# Altium PCB PCB2.PcbDoc (part 2 of 2) (continued)
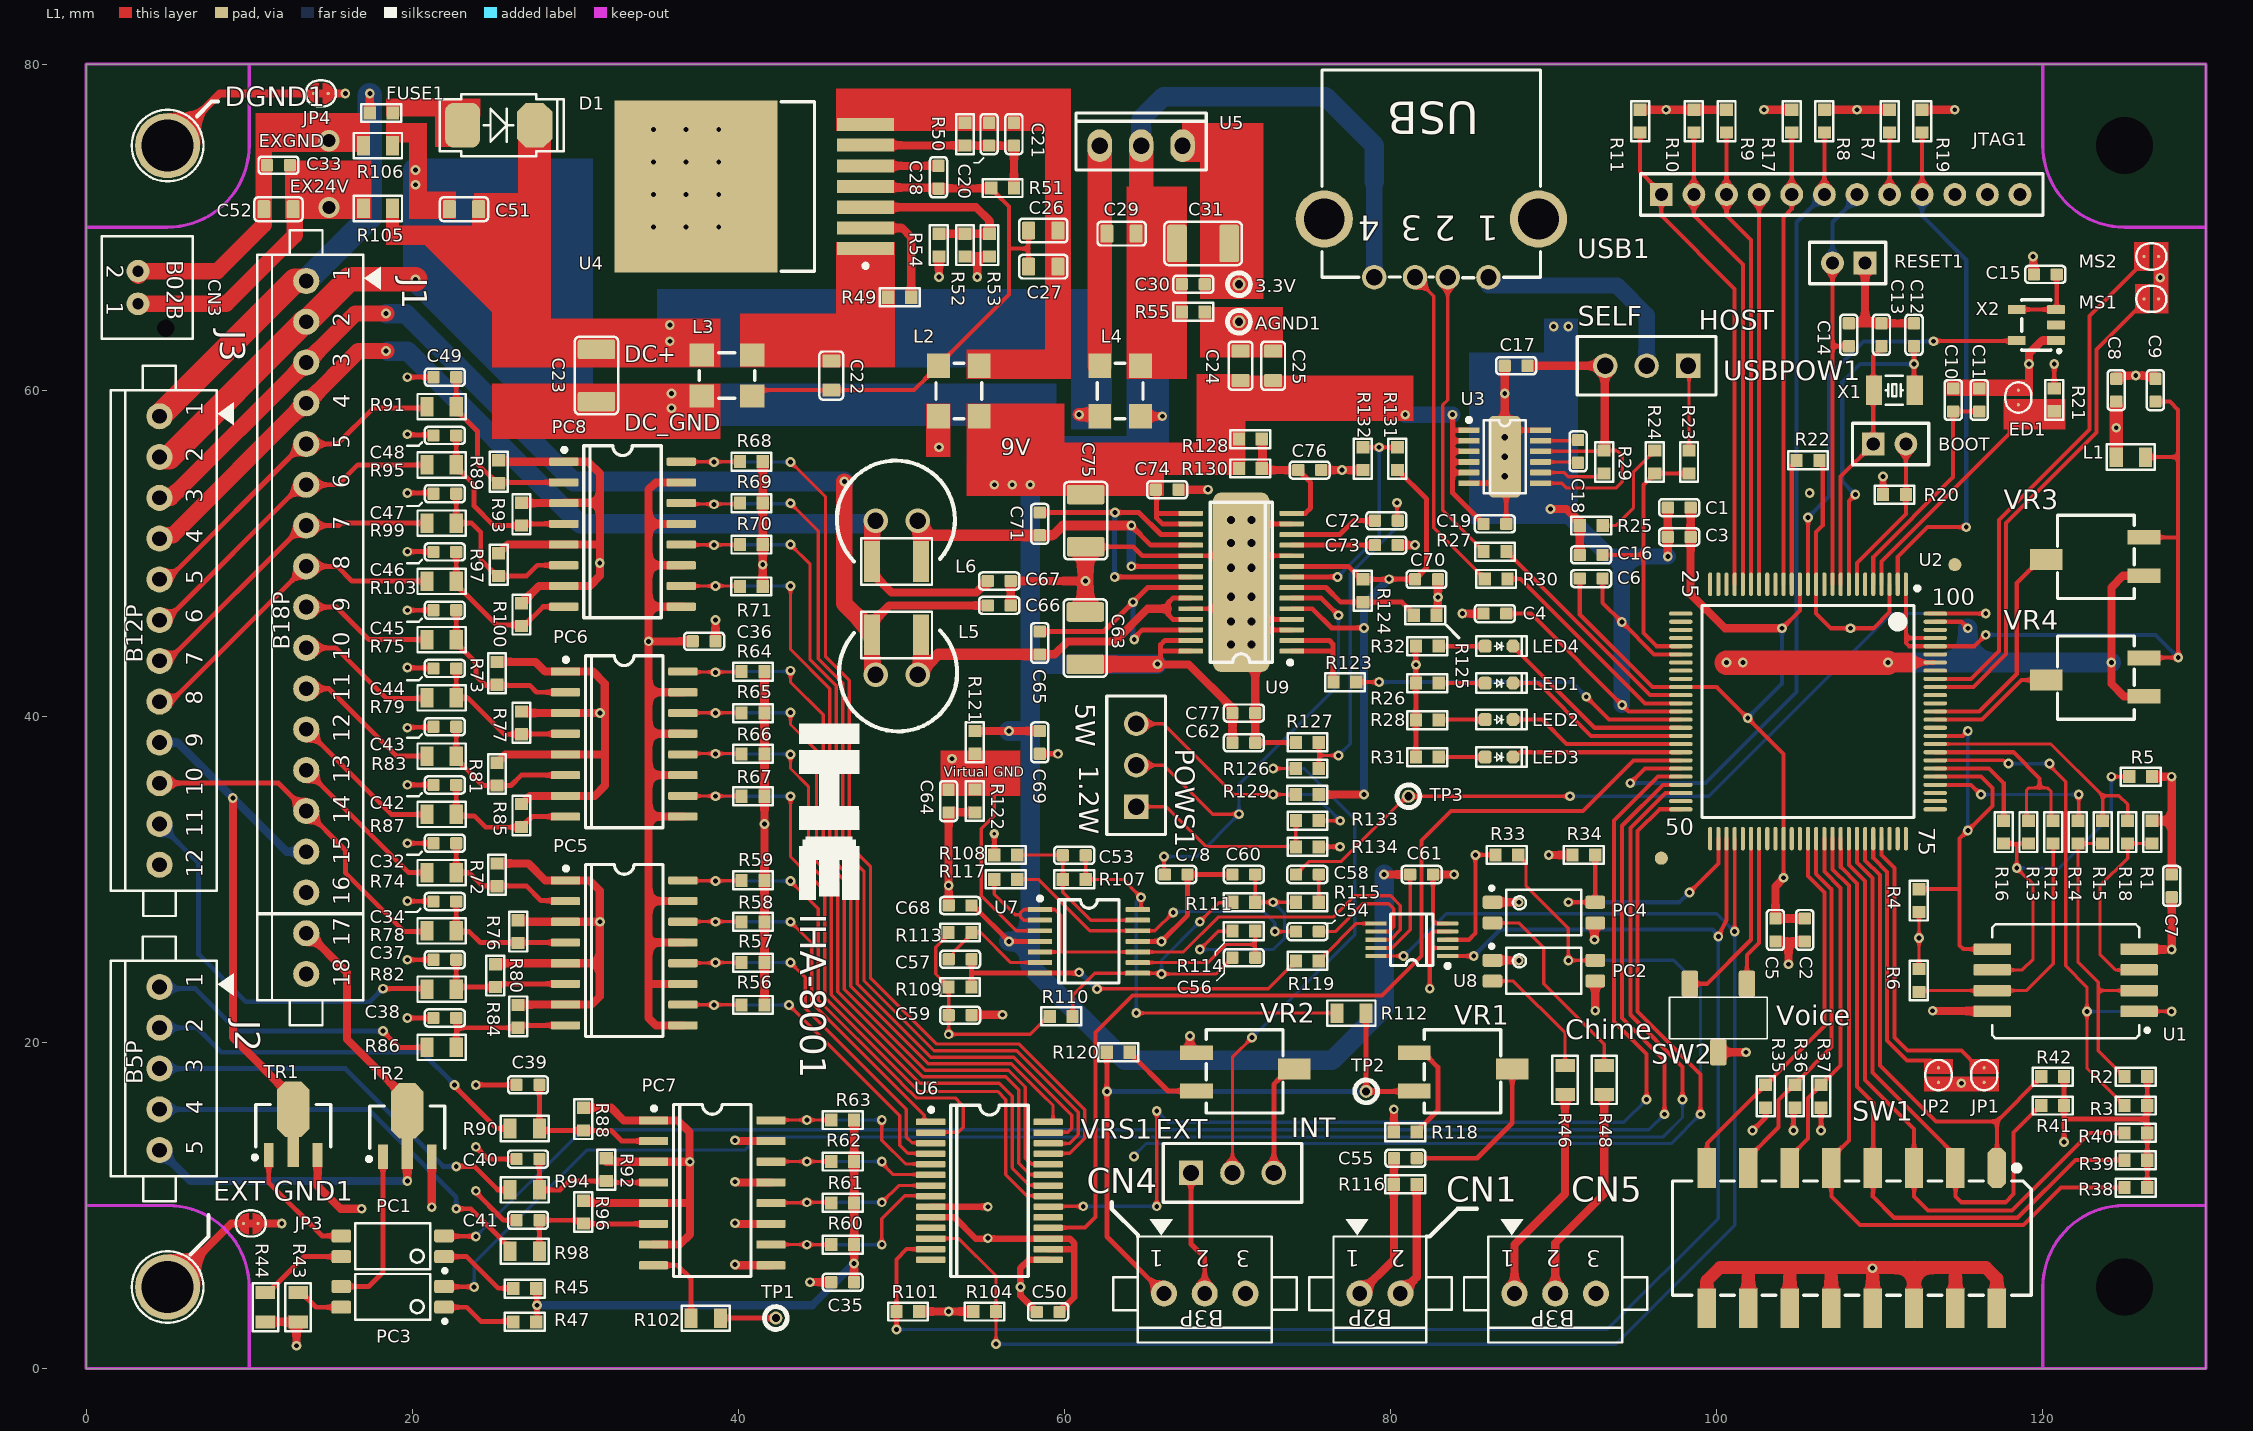
[diagram p0: L1 view]
## Nets (pads, with @x,y where several pads share a name; then routed paths per layer and width w, separated by ;. In a path a pad name is that pad's centre, name@x,y a point inside that pad or via, vN(x,y) a via of type N, cw(c..) or ccw(c..) an arc to the next point about the centre after c; other vN are vias at no path point) (continued)
  L4 w0.2: v1(38.6,42.7) 38.65,42.75 43.15,42.75 v1(43.2,42.8)
NetPC7_8: PC7.8 R102.2 | length 5.1
  L1 w0.3: PC7.8@34.8,6.335 36.265,6.335 37.1,5.5 R102.2@37.1,3.09
NetPC7_10: PC7.10 R60.1 U6.8 | length 13.6
  L1 w0.2: PC7.10@42.1,7.625 42.112,7.612 44.188,7.612 v1(44.2,7.6) R60.1@45.7,7.6 ; v1(48.8,7.6) 48.8,9.2 50.2,10.6 U6.8@52,10.6
  L4 w0.2: v1(44.2,7.6) v1(48.8,7.6)
NetPC7_12: PC7.12 R61.1 U6.7 | length 11.8
  L1 w0.2: PC7.12@42,10.145 42.025,10.17 44.175,10.17 v1(44.2,10.195) 45.67,10.195 R61.1@45.7,10.165 ; v1(48.8,10.195) 49.83,11.225 U6.7@51.8,11.225
  L4 w0.2: v1(44.2,10.195) v1(48.8,10.195)
NetPC7_14: PC7.14 R62.1 U6.6 | length 11.8
  L1 w0.2: PC7.14@42.1,12.705 42.103,12.703 44.197,12.703 v1(44.2,12.7) R62.1@45.7,12.7 ; v1@48.7,12.7 49.5,11.9 U6.6@52,11.9
  L4 w0.2: v1(44.2,12.7) v1(48.8,12.7)
NetPC7_16: PC7.16 R63.1 U6.5 | length 13.3
  L1 w0.2: PC7.16@42.1,15.245 v1(44.2,15.245) R63.1@45.7,15.245 ; v1@48.8,15.3 v1(48.8,15.245) 48.8,14 50.25,12.55 U6.5@52,12.55
  L4 w0.2: v1(44.2,15.245) v1(48.8,15.245)
NetPC8_10: PC8.10 R71.1 U6.28 | length 50.8
  L1 w0.2: PC8.10@36.5,47.995 36.503,47.997 38.597,47.997 v1(38.6,48) 40.094,48.015 R71.1@40.1,48.015 ; v1(43.2,48) 43.2,44.103 45.6,41.703 45.6,31.4 46.9,30.1 46.9,23.434 51.634,18.7 56.734,18.7 58.579,16.855 59.3,16.134 U6.28@59.3,15.15
  L4 w0.2: v1@38.5,48 v1(38.6,48) v1(43.2,48)
NetPC8_12: PC8.12 R70.1 U6.27 | length 55.4
  L1 w0.2: PC8.12@36.5,50.515 R70.1@40.1,50.515 ; v1(43.2,50.533) 44.4,49.333 44.4,43.469 46,41.869 46,31.634 47.3,30.334 47.3,23.6 51.8,19.1 56.9,19.1 60.45,15.55 60.45,14.75 60.2,14.5 U6.27@59.389,14.5
  L4 w0.2: v1(38.5,50.5) 38.517,50.517 43.183,50.517 v1(43.2,50.533)
NetPC8_14: PC8.14 R69.1 U6.26 | length 59.6
  L1 w0.2: PC8.14@36.5,53.015 R69.1@40.1,53.015 ; v1@43.1,53.3 v1@43.267,53.133 ; v1(43.2,53.067) 44.9,51.367 44.9,43.534 46.4,42.034 46.4,31.8 47.7,30.5 47.7,23.8 52,19.5 57.066,19.5 60.85,15.716 60.85,14.35 60.3,13.8 59.2,13.8 U6.26@59.1,13.9
  L4 w0.2: v1(38.5,53) 38.533,53.033 43.167,53.033 v1(43.2,53.067)
NetPC8_16: PC8.16 R68.1 U6.25 | length 62.7
  L1 w0.2: PC8.16@36.5,55.615 R68.1@40.1,55.615 ; v1(43.2,55.6) 45.35,53.45 45.35,43.65 46.8,42.2 46.8,32.1 48.1,30.8 48.1,23.966 52.166,19.9 57.231,19.9 61.25,15.881 61.25,14.119 60.331,13.2 U6.25@59.2,13.2
  L4 w0.2: v1(38.5,55.6) v1(43.2,55.6)
NetPOWS1_1: POWS1.1 R133.1 R134.2 | length 12.4
  L1 w0.2: POWS1.1@64.4,34.46 66.24,34.46 68.675,32.025 R134.2@74.19,32.025 ; R134.2@74.19,32 R134.2@74.19,32.025 ; R133.1@74.19,33.6 R134.2@74.19,32.025
NetPOWS1_3: POWS1.3 R129.1 R133.2 | length 17.8
  L1 w0.2: POWS1.3@64.4,39.54 66.06,39.54 70.4,35.2 v1(72.8,35.2) R129.1@74.19,35.2 ; R133.2@75.6,33.6 v1(76.91,33.6) v1@77.01,33.6
  L4 w0.2: v1(72.8,35.2) 72.9,35.2 75.3,35.2 v1@76.9,33.6
NetR1_1: R1.1 R18.2 U1.3 | length 11.6
  L1 w0.2: R18.2@125.183,32.2 R1.1@126.7,32.2 ; R18.2@125.2,32 125.2,31.3 123.5,29.6 123.5,25.4 124.45,24.45 U1.3@125.9,24.45
NetR2_1: R2.1 R14.2 R15.2 U1.2 | length 19.5
  L1 w0.2: R15.2@123.667,32.2 R14.2@122.15,32.2 122.15,24.95 123.4,23.7 123.4,23.18 ; R2.1@125,17.9 123.4,19.5 123.4,23.18 ; U1.2@125.9,23.18 123.4,23.18
NetR5_1: R5.1 R13.1 R16.1 U1.6 | length 22.2
  L1 w0.2: U1.6@116.9,24.45 118.75,24.45 119.4,25.1 119.4,29.7 v1@118.5,30.6 ; R16.1@117.6,32.2 118.4,32.2 ; v1(118.4,30.7) 118.4,32.2 ; R13.1@119,32.2 118.4,32.2 ; v1(124.2,36.3) R5.1@125.3,36.3
  L4 w0.2: v1(118.4,30.7) 121,30.7 124.2,33.9 v1(124.2,36.3)
NetR6_1: R6.1 R12.1 U1.7 | length 16.3
  L1 w0.2: R6.1@112.4,23.1 112.48,23.18 U1.7@116.9,23.18 118.98,23.18 120.633,24.833 120.633,31.967 R12.1@120.5,32.1
NetR22_2: R22.2 U2.15 | length 7.9
  L1 w0.25: U2.15@104.6,48.1 104.6,55.4 R22.2@104.9,55.7 R22.2@104.9,55.925
NetR23_1: R23.1 USBPOW1.1 | length 5.2
  L1 w0.2: R23.1@98.305,56.3 USBPOW1.1@98.305,61.435
  L1 w0.5: USBPOW1.1@98.24,61.5 USBPOW1.1@98.305,61.435
NetR24_1: R24.1 R25.2 | length 6.4
  L1 w0.2: R25.2@93.005,51.7 93.8,51.7 94.9,52.8 94.9,55 R24.1@96.2,56.3
NetR27_2: R27.2 USB1.2 | length 18
  L1 w0.2: USB1.2@83.5,66.92 83.5,59.4 83.2,59.1 83.2,52.625 85.7,50.125 R27.2@85.7,50.1
NetR29_1: R29.1 U3.8 | length 4.1
  L1 w0.2: U3.8@89.2,54.95 90.65,54.95 90.9,54.7 92.9,54.7 R29.1@93.1,54.9
NetR30_2: R30.2 USB1.3 | length 20.3
  L1 w0.2: USB1.3@81.5,66.92 82.65,65.77 82.65,51.57 85.77,48.45 R30.2@85.77,48.425
NetR49_2: R49.2 U4.2 | length 6.8
  L1 w0.5: U4.2@47.822,69.972 U4.2@47.8,69.95 50.05,69.95 50.6,69.4 R49.2@50.6,65.7
NetR52_2: R52.2 R53.2 R54.1 U4.3 | length 11.8
  L1 w0.5: U4.3@47.8,71.22 54.58,71.22 55.4,70.4 R53.2@55.4,69.6 ; R54.1@52.3,69.6 R52.2@53.9,69.6 R53.2@55.375,69.6
NetR102_1: R102.1 TP1.1 | length 3.4
  L1 w0.3: R102.1@38.9,3.1 TP1.1@42.3,3.1
NetR118_1: R118.1 VR1.1 | length 6.3
  L1 w0.3: VR1.1@81.459,19.375 82.009,19.375 82.9,18.484 82.9,15.825 81.6,14.525 R118.1@81.6,14.5
NetR119_1: R119.1 U8.6 | length 4.2
  L1 w0.2: R119.1@75.8,25.2 77.9,27.3 U8.6@79.1,27.3
NetR120_2: R120.2 VR2.3 | length 5.2
  L1 w0.3: R120.2@64,19.4 64,19.375 66.35,17.025 VR2.3@68.1,17.025 ; VR2.3@68.309,17.1 VR2.3@68.359,17.05
NetR123_1: R123.1 U2.39 | length 21
  L1 w0.25: R123.1@77.9,42.1 77.9,42 78,42.1 v1(79.3,42.1) ; v1(92,41.2) 93.4,39.8 U2.39@97.8,39.8
  L4 w0.25: v1(79.3,42.1) 91.1,42.1 v1(92,41.2)
NetR123_2: R123.2 U9.1 U9.2 | length 7.5
  L1 w0.3: U9.1@73.94,44 76.389,44 76.464,44.076 ; U9.2@73.94,44.65 76.25,44.65 76.464,44.436 76.464,44.076 ; R123.2@76.5,42.1 76.464,42.136 76.464,44.076
NetR124_2: R124.2 R125.1 U9.7 | length 8.3
  L1 w0.3: U9.7@73.94,47.9 76.04,47.9 76.94,47 78.34,47 80.695,47 81.195,46.5 81.22,46.5 81.495,46.225 R125.1@81.495,46.2
NetR126_2: R126.2 VRS1.2 | length 32.6
  L1 w0.2: VRS1.2@70.3,12 70.3,19.1 v1(71.5,20.3) ; v1(72.8,36.8) 74.1,36.8 74.19,36.89 R126.2@74.19,36.8
  L4 w0.2: v1(71.5,20.3) 77.8,26.6 77.8,33.7 74.7,36.8 v1(72.8,36.8)
NetR131_1: R131.1 R132.2 U9.8 | length 13.9
  L1 w0.2: R132.2@78.3,56.5 R131.1@80.415,56.5
  L1 w0.3: U9.8@73.94,48.55 v1(76.75,48.55)
  L4 w0.2: v1@76.8,48.6 79.3,51.1 v1(79.3,56.5)
NetSW2_1: SW2.1 U2.57 | length 9.7
  L1 w0.25: SW2.1@101.85,23.1 SW2.1@101.85,23.6 101.85,25.35 102.6,26.1 U2.57@102.6,32.5
NetSW2_3: SW2.3 U2.56 | length 11.9
  L1 w0.25: SW2.3@98.35,23.1 SW2.3@98.35,23.6 98.35,23.85 98.6,23.6 99.4,23.6 102.1,26.3 U2.56@102.1,32.5
NetU2_13: U2.13 X2.5 | length 25.7
  L1 w0.25: U2.13@105.6,48.1 v1(105.6,52.2) ; v1(113.3,63) 113.325,63.025 118.375,63.025 X2.5@118.4,63.05
  L4 w0.25: v1(105.6,52.2) 106.9,53.5 106.9,60.9 109,63 v1(113.3,63)
NetU2_44: U2.44 U6.18 | length 61.2
  L1 w0.25: U6.18@59.2,8.65 61.25,8.65 61.9,9.3 61.9,20.6 64.175,22.875 79.475,22.875 81.9,25.3 81.9,32.383 83.717,34.2 91.8,34.2 94.9,37.3 U2.44@97.8,37.3
NetU2_87: U2.87 VR4.2 | length 7.8
  L1 w0.25: U2.87@113.4,39.8 116.266,39.8 118.691,42.225 VR4.2@120.2,42.225
NetU2_88: U2.88 VR3.2 | length 13.9
  L1 w0.25: U2.88@113.4,40.3 116.1,40.3 118.4,42.6 118.4,48.175 119.85,49.625 VR3.2@120.2,49.625
NetUSB1_1: USB1.1 USBPOW1.2 | length 13.6
  L4 w1: USB1.1@86,66.42 93.88,66.42 95.7,64.6 USBPOW1.2@95.7,61.5
NetVR2_2: VR2.2 VRS1.3 | length 7.4
  L1 w0.3: VRS1.3@72.84,12 72.84,17.44 73.8,18.4 VR2.2@74.359,18.4
P16VBUS: C16.2 R23.2 R24.2 U2.30 | length 17.3
  L1 w0.25: C16.2@93,49.9 95.5,49.9 ; U2.30@97.8,44.3 96.3,44.3 95.5,45.1 95.5,49.9 ; R23.2@98.3,54.9 R24.2@96.2,54.9 96.175,54.9 95.925,54.65 95.925,54.625 95.5,54.2 95.5,49.9
PC7_UB: JTAG1.6 R8.1 U2.45 | length 51
  L1 w0.25: v1(94.7,35.9) 95.6,36.8 U2.45@97.8,36.8 ; JTAG1.6@106.7,72.1 106.6,72.2 106.6,75.699 R8.1@106.7,75.799
  L4 w0.25: v1(94.7,35.9) 99.3,35.9 104.9,41.5 104.9,70.3 JTAG1.6@106.6,72
QSPI-CLK: R16.2 U2.81 | length 6.9
  L1 w0.25: U2.81@113.4,36.8 116.7,36.8 117.6,35.9 R16.2@117.6,33.6
QSPI-CS: R3.1 U1.1 U2.82 | length 37.1
  L1 w0.2: U2.82@113.4,37.3 117.592,37.3 117.792,37.1 v1(117.9,37.1) ; v1(120.4,37.1) 120.4,37 121.4,36 121.4,24.7 122.7,23.4 v1(122.7,21.9) 122.7,18.433 124.9,16.233 R3.1@124.9,16.133 ; U1.1@125.9,21.91 127.71,21.91 v1@127.8,22
  L4 w0.2: v1(117.9,37.1) v1(120.4,37.1) ; v1(122.7,21.9) v1(127.9,21.9)
QSPI-IO0: R4.1 U1.5 U2.80 U2.85 | length 27
  L1 w0.25: R4.1@112.4,29.4 114.8,29.4 ; U2.80@113.4,36.3 116.2,36.3 116.9,35.6 116.9,34.5 v1(115.4,33) 114.9,32.5 114.9,29.4 114.9,26.925 114.9,25.94 115.12,25.72 U1.5@116.9,25.72 ; U2.85@113.4,38.8 115.1,38.8 v1(115.4,39.1)
  L4 w0.2: v1(115.4,33) v1(115.4,39.1)
QSPI-IO1: R14.1 U2.79 | length 10.1
  L1 w0.2: R14.1@122.2,33.6 v1(122.2,35.2)
  L1 w0.25: U2.79@114,35.8 115.6,35.8 v1(116.2,35.2)
  L4 w0.2: v1(116.2,35.2) v1@116.3,35.2 ; v1@116.3,35.1 116.4,35.2 v1(122.2,35.2)
QSPI-IO2: R15.1 R18.1 U2.84 | length 16.1
  L1 w0.2: U2.84@113.4,38.3 120.5,38.3 123.667,35.133 ; R15.1@123.667,33.6 123.667,35.133 ; R18.1@125.2,33.4 125.2,34.6 124.667,35.133 123.667,35.133
QSPI-IO3: R12.2 R13.2 U2.83 | length 13.1
  L1 w0.2: R13.2@119,33.5 119,35.483 119.117,35.6 119.8,35.6 120.3,35.6 120.5,35.4 R12.2@120.5,33.6
  L1 w0.25: U2.83@113.4,37.8 118.2,37.8 119.8,36.2 119.8,35.6
RES#: C14.2 JTAG1.7 RESET1.2 U2.10 | length 25.6
  L1 w0.25: U2.10@107.1,48.1 107.1,62.7 ; RESET1.2@107.1,67.8 107.1,64.1 ; C14.2@108.1,62.7 107.1,62.7 ; 107.1,62.7 107.1,63.8 ; 107.1,63.8 107.1,64.1 ; 107.1,63.8 107.1,64.1
  L4 w0.25: RESET1.2@107.1,67.8 107.1,70.3 JTAG1.7@108.6,71.8
RESET: J3.11 R82.1 | length 24.7
  L1 w0.3: v1(18.2,23.3) 20.528,23.3 20.728,23.1 R82.1@20.9,23.272 ; R82.1@20.878,23.1 R82.1@20.9,23.078
  L4 w0.3: J3.11@4.5,33.4 6.9,31 6.9,25.4 9.8,22.5 17.4,22.5 v1(18.2,23.3)
SP+: C66.2 J1.3 J3.3 L5.2 | length 71.4
  L1 w0.5: 46.5,46.9 46.6,46.8 ; L5.2@48.2,45.75 49.25,46.8 C66.2@55.3,46.8
  L1 w1: J3.3@4.5,53.4 5.2,53.4 J1.3@13.5,61.7 16.5,64.7 v1(18.4,64.7) ; 46.5,46.9 v1(46.5,54.4) ; 46.545,46.855 47.8,45.6 L5.2@47.931,45.6 ; L5.2@48.2,45.75 L5.2@48.2,45 48.2,42.891 48.425,42.666 v2@48.425,42.475
  L4 w1.2: v1(18.4,64.7) 19.6,64.7 29.9,54.4 v1(46.5,54.4)
  other v2: 48.415,42.542
SP-: C67.1 J1.4 J3.4 L6.2 | length 64.4
  L1 w0.5: L6.2@48.2,49.5 48.2,48.75 48.45,48.5 48.5,48.5 49.4,47.6 54.6,47.6 C67.1@55.3,48.3
  L1 w1: J3.4@4.5,50.9 4.71,51.11 5.31,51.11 13.35,59.15 13.45,59.15 J1.4@13.5,59.2 16.7,62.4 v1(18.4,62.4) ; L6.2@48.2,49.5 48.2,51.65 48.415,51.865 v2(48.415,52)
  L4 w0.5: J1.4@13.5,59.2 J1.4@13.8,59.5
  L4 w1.2: v1@18.5,62.4 19.7,62.4 30.3,51.8 v2@48.2,51.8
STB: J1.13 R74.1 | length 10.1
  L1 w0.3: J1.13@13.5,36.7 19.784,30.416 R74.1@21,30.416
STOP: J1.14 J3.10 R78.1 | length 21.1
  L1 w0.3: J3.10@4.5,35.9 11.8,35.9 J1.14@13.5,34.2 15.9,31.8 15.9,30.4 19.5,26.8 20.557,26.8 R78.1@20.9,26.457
SW1: J1.5 J3.5 R91.2 | length 20.6
  L1 w0.3: J3.5@4.5,48.4 5,48.4 13.3,56.7 J1.5@13.5,56.7 15.4,56.7 17.6,58.9 R91.2@20.8,58.9
SW2: J1.6 J3.6 R95.2 | length 20.3
  L1 w0.3: J3.6@4.5,45.9 4.9,45.9 13.2,54.2 J1.6@13.5,54.2 15.45,54.2 16.67,55.42 R95.2@20.9,55.42
SW3: J1.7 J3.7 R99.2 | length 19.9
  L1 w0.3: J3.7@4.5,43.4 5,43.4 13.3,51.7 J1.7@13.5,51.7 15.5,51.7 15.648,51.848 R99.2@20.9,51.848
SW4: J1.8 J3.8 R103.2 | length 20.4
  L1 w0.3: J3.8@4.5,40.9 5.2,40.9 J1.8@13.5,49.2 15.4,49.2 16.3,48.3 R103.2@21.1,48.3
SW5: J1.9 R75.2 | length 8.2
  L1 w0.3: J1.9@13.5,46.7 15.354,46.7 17.35,44.704 R75.2@20.9,44.704
SW6: J1.10 R79.2 | length 8.7
  L1 w0.3: J1.10@13.5,44.2 15.3,44.2 18.4,41.1 20.868,41.1 R79.2@20.9,41.132
SW7: J1.11 R83.2 | length 9.1
  L1 w0.3: J1.11@13.5,41.7 14.9,41.7 19.04,37.56 R83.2@20.9,37.56
SW8: J1.12 R87.2 | length 9.6
  L1 w0.3: J1.12@13.5,39.2 18.712,33.988 R87.2@20.9,33.988
SW9: J2.1 R86.1 | length 17.6
  L1 w0.3: v1(18.2,20.7) 19.2,19.7 R86.1@20.9,19.7
  L4 w0.3: J2.1@4.8,23.3 6.7,23.3 9.3,20.7 v1(18.2,20.7)
SW10: J2.2 R90.1 | length 24
  L1 w0.3: v1@22.6,17.3 25.175,14.725 R90.1@26,14.725
  L4 w0.3: J2.2@4.5,20.9 6.8,20.9 8.3,19.4 20.6,19.4 v1(22.6,17.4)
SW11: J2.3 R94.1 | length 24.6
  L1 w0.3: v1(22.7,12.4) 23.8,12.4 25.238,10.962 R94.1@26,10.962
  L4 w0.3: J2.3@4.5,18.4 15.9,18.4 21.9,12.4 v1(22.7,12.4)
SW12: J2.4 R98.1 | length 25.8
  L1 w0.3: v1(22.7,9.8) 23.6,9.8 26,7.4 R98.1@26,7.2 R98.1@25.9,7.1
  L4 w0.3: J2.4@4.5,15.9 17.3,15.9 22.7,10.5 v1(22.7,9.8)
SWC1: C49.2 PC8.2 R89.1 R91.1 | length 11.6
  L1 w0.3: C49.2@22.7,60.8 R91.1@22.7,58.992 22.7,58.8 24,57.5 24,55.5 25.155,54.345 PC8.2@29.3,54.345
SWC2: C48.2 PC8.4 R93.1 R95.1 | length 10.8
  L1 w0.3: R95.1@22.7,55.42 C48.2@22.7,57.227 ; R95.1@22.8,55.42 22.8,55.2 23.8,54.2 23.8,52.9 25,51.7 R93.1@26.7,51.7 26.805,51.805 PC8.4@29.3,51.805
SWC3: C47.2 PC8.6 R97.1 R99.1 | length 11
  L1 w0.3: C47.2@22.7,53.655 R99.1@22.7,51.848 23.652,51.848 24.2,51.3 24.2,49.601 25.201,48.6 27,48.6 27.665,49.265 PC8.6@29.3,49.265
SWC4: C46.2 PC8.8 R100.1 R103.1 | length 10
  L1 w0.3: R103.1@22.7,48.276 C46.2@22.7,50.082 ; R103.1@22.9,48.3 22.9,47.876 25.176,45.6 26.9,45.6 28.025,46.725 PC8.8@29.3,46.725
SWC5: C45.2 PC6.2 R73.1 R75.1 | length 10.3
  L1 w0.3: R75.1@22.7,44.704 C45.2@22.7,46.509 ; R75.1@22.9,44.65 22.9,44.3 23.9,43.3 23.9,42.5 24.5,41.9 27.2,41.9 27.625,41.475 PC6.2@29.4,41.475
SWC6: C44.2 PC6.4 R77.1 R79.1 | length 9.4
  L1 w0.3: C44.2@22.7,42.936 R79.1@22.7,41.132 23.401,41.132 25.633,38.9 R77.1@26.7,38.9 26.718,38.917 29.383,38.917 PC6.4@29.4,38.935
SWC7: C43.2 PC6.6 R81.1 R83.1 | length 9.6
  L1 w0.3: C43.2@22.7,39.364 R83.1@22.7,37.56 22.7,37.4 24.34,35.76 R81.1@25.2,35.76 26.06,35.76 26.695,36.395 PC6.6@29.4,36.395
SWC8: C42.2 PC6.8 R85.1 R87.1 | length 9
  L1 w0.3: R87.1@22.7,33.988 C42.2@22.7,35.791 ; R87.1@22.8,33.9 23.8,33.9 24.5,33.2 26.7,33.2 27.355,33.855 PC6.8@29.4,33.855
SWC9: C32.2 PC5.2 R72.1 R74.2 | length 9.2
  L1 w0.3: R74.2@22.7,30.3 C32.2@22.7,32.218 ; R74.2@22.8,30.416 23.484,30.416 24.3,29.6 27,29.6 27.9,28.7 29.37,28.7 PC5.2@29.4,28.67
SWC10: C34.2 PC5.4 R76.1 R78.2 | length 8.7
  L1 w0.3: R78.2@22.7,26.844 C34.2@22.7,28.645 ; R78.2@22.8,26.8 23.5,26.8 24.17,26.13 PC5.4@29.4,26.13
SWC11: C37.2 PC5.6 R80.1 R82.2 | length 8.6
  L1 w0.3: R82.2@22.7,23.078 R82.2@22.7,23.15 ; C37.2@22.7,24.782 R82.2@22.7,23.15 ; PC5.6@29.4,23.59 25.39,23.59 25.2,23.4 22.95,23.4 R82.2@22.7,23.15
SWC12: C38.2 PC5.8 R84.1 R86.2 | length 8.6
  L1 w0.3: R86.2@22.7,19.7 22.7,20.9 ; C38.2@22.7,21.5 22.7,20.9 ; PC5.8@29.4,21.05 26.55,21.05 26.4,20.9 22.7,20.9
SWC13: C39.2 PC7.2 R88.1 R90.2 | length 10
  L1 w0.3: C39.2@27.8,17.4 R90.2@27.8,14.725 27.925,14.6 30.325,14.6 R88.1@30.4,14.675 ; R88.1@30.4,14.6 32.2,14.6 32.845,13.955 PC7.2@34.8,13.955
SWC14: C40.2 PC7.4 R92.1 R94.2 | length 8.9
  L1 w0.3: R94.2@27.8,10.962 29.062,10.962 29.6,11.5 R92.1@31.9,11.5 31.985,11.415 PC7.4@34.8,11.415 ; R94.2@27.8,11.162 C40.2@27.8,12.85
SWC15: C41.2 PC7.6 R96.1 R98.2 | length 8.9
  L1 w0.3: R98.2@27.8,7.2 C41.2@27.8,9.1 R96.1@30.4,9.1 ; R96.1@30.5,9 30.625,8.875 PC7.6@34.8,8.875
TCK: JTAG1.2 R10.1 U2.21 | length 28.9
  L1 w0.2: R10.1@98.6,75.699 R10.1@98.7,75.799
  L1 w0.25: JTAG1.2@98.6,71.9 98.6,70.7 101.6,67.7 U2.21@101.6,48.1 ; JTAG1.2@98.6,72.1 98.6,75.699 R10.1@98.6,75.799
TDI: JTAG1.3 R9.1 U2.20 | length 28.2
  L1 w0.25: JTAG1.3@100.6,71.8 100.6,70.7 102.1,69.2 U2.20@102.1,48.1 ; JTAG1.3@100.6,72.1 R9.1@100.6,75.699 ; R9.1@100.6,75.799 R9.1@100.6,75.699 ; R9.1@100.7,75.799 R9.1@100.6,75.699
TDO: JTAG1.1 R11.1 U2.22 | length 30.1
  L1 w0.25: R11.1@95.3,75.799 95.3,73.4 96.6,72.1 96.6,70.7 101.1,66.2 U2.22@101.1,48.1
TMS: JTAG1.4 U2.19 | length 23.7
  L1 w0.25: U2.19@102.6,48.1 102.6,71.7 JTAG1.4@102.7,71.8
TRST: JTAG1.5 R17.1 U2.16 | length 27.7
  L1 w0.25: U2.16@104.1,48.1 104.1,70.6 104.6,71.1 JTAG1.5@104.6,71.8 ; JTAG1.5@104.6,72.1 R17.1@104.6,75.799 ; R17.1@104.6,75.699 R17.1@104.7,75.799
USB0_DM: R27.1 U2.36 | length 14.3
  L1 w0.25: R27.1@87.1,50.1 87.116,50.1 95.916,41.3 U2.36@97.8,41.3
USB0_DP: R30.1 U2.37 | length 13.8
  L1 w0.25: R30.1@87.17,48.425 87.975,48.425 95.6,40.8 U2.37@97.8,40.8
VBUS: C17.1 R29.2 U3.7 U3.10 USBPOW1.3 | length 22.1
  L1 w0.2: U3.10@89.1,56.25 R29.2@93.1,56.25 ; U3.7@89.2,54.3 90.5,54.3 90.8,54 93.8,54 94.2,54.4 94.2,56 93.9,56.3 R29.2@93.1,56.3
  L1 w0.5: C17.1@88.4,61.5 USBPOW1.3@93.16,61.5 93.13,61.47 93.13,56.33 R29.2@93.1,56.3
VCL: C10.2 C11.2 U2.5 | length 14.1
  L1 w0.25: U2.5@109.6,48.1 109.6,49.764 114.5,54.664 114.5,58.45 114.55,58.5 C10.2@114.6,58.5 ; C10.2@114.5,58.7 C11.2@116.1,58.7
VirtualGND: R117.2 U7.1 U7.2 U7.5 U7.10 U8.8 | length 36.6
  L1 w0.2: R117.2@55.7,30 55.7,29.1 56.975,27.825 57.3,27.825 ; U7.5@58.5,25.55 59.75,25.55 ; U7.2@58.5,27.5 57.5,27.5 57.3,27.7 57.3,27.825 ; U8.8@79.1,26.3 80,26.3 80.6,26.9 80.6,28.4 80,29 77.8,29 76.5,27.7 69.449,27.7 67.299,25.55 U7.10@64.5,25.55 59.75,25.55 ; 57.3,27.825 57.3,27.95 57.5,28.15 U7.1@58.5,28.15 59.426,28.15 59.775,27.801 59.775,25.575 59.75,25.55
pads on no net: CN3.boss JTAG1.12 U2. U2.11 U2.17 U2.18 U2.23 U2.24 U2.25 U2.26 U2.27 U2.28 U2.29 U2.32 U2.33 U2.34 U2.49 U2.51 U2.55 U2.58 U2.59 U2.61 U2.62 U2.73 U2.74 U2.75 U2.76 U2.77 U2.78 U2.86 U2.89 U2.90 U2.93 U2.95 U2.98 U2.FID U6.11 U6.14 U6.19 USB1.OS X2.2

## Polygon pours and split planes (outlines as drawn)
AGND on L4 "L4-AGND" (solid, pour order 13): 6.3,9.7 15.148,9.7 15.256,9.744 16.356,10.844 16.4,10.952 16.4,69.252 16.356,69.359 15.756,69.959 15.648,70.003 6.3,70.003 10.2,73.903 10.2,79.5 119.7,79.5 119.7,74.2 124.2,69.7 129.5,69.7 129.5,10.3 124.497,10.3 119.7,5.503 119.7,0.5 10.3,0.5 10.3,5.7
EXGND on L4 "L4-EXGND" (solid, pour order 12): 0.5,10.4 14.9,10.4 15.5,11 15.5,69.343 15.352,69.491 0.5,69.491
AGND on L4 "AGND_L04_P011" (solid, pour order 11): 70,35.6 75,40.6 75,49.1 78.325,52.425 78.73,52.425 78.73,61.57 78.1,62.2 69,62.2 68.4,61.6 68.4,35.6 69.9,35.6 70,35.7
EXGND on L2 (split plane): 20.548,63.196 20.548,24.8 20.556,24.735 20.582,24.674 20.622,24.622 28.848,16.396 28.848,0.51 0.51,0.51 0.51,68.448 15.296,68.448
DGND on L2 (split plane): 129.49,0.51 29.352,0.51 29.352,16.5 29.344,16.565 29.318,16.626 29.278,16.678 21.052,24.904 21.052,63.3 21.044,63.365 21.018,63.426 20.996,63.456 20.978,63.478 15.578,68.878 15.526,68.918 15.465,68.944 15.4,68.952 0.51,68.952 0.51,79.49 32.048,79.49 32.048,67.4 32.056,67.335 32.082,67.274 32.122,67.222 33.122,66.222 33.174,66.182 33.235,66.156 33.3,66.148 47.596,66.148 49.348,64.396 49.348,23.6 49.348,18.2 49.356,18.135 49.382,18.074 49.422,18.022 64.222,3.222 64.274,3.182 64.335,3.156 64.4,3.148 93.5,3.148 93.565,3.156 93.626,3.182 93.678,3.222 95.178,4.722 95.218,4.774 95.244,4.835 95.252,4.9 95.252,15.6 95.244,15.665 95.218,15.726 95.196,15.756 95.178,15.778 91.652,19.304 91.652,27.396 93.878,29.622 103.378,39.122 103.418,39.174 103.444,39.235 103.452,39.3 103.452,49.2 103.444,49.265 103.418,49.326 103.378,49.378 89.078,63.678 89.026,63.718 88.965,63.744 88.9,63.752 76.804,63.752 73.152,67.404 73.152,79.49 129.49,79.49
AGND on L2 (split plane): 72.648,67.3 72.656,67.235 72.682,67.174 72.722,67.122 76.522,63.322 76.551,63.299 76.574,63.282 76.592,63.274 76.635,63.256 76.7,63.248 88.796,63.248 102.948,49.096 102.948,39.404 93.522,29.978 91.222,27.678 91.182,27.626 91.156,27.565 91.148,27.5 91.148,19.2 91.156,19.135 91.182,19.074 91.222,19.022 94.748,15.496 94.748,5.004 93.396,3.652 64.504,3.652 49.852,18.304 49.852,23.6 49.852,64.5 49.844,64.565 49.826,64.608 49.818,64.626 49.801,64.649 49.778,64.678 47.878,66.578 47.826,66.618 47.765,66.644 47.7,66.652 33.404,66.652 32.552,67.504 32.552,79.49 72.648,79.49
EX24V on L3 (split plane): 21.648,63.1 21.656,63.035 21.682,62.974 21.722,62.922 26.922,57.722 26.974,57.682 27.035,57.656 27.1,57.648 34.796,57.648 36.448,55.996 36.448,35.7 36.456,35.635 36.482,35.574 36.522,35.522 42.722,29.322 42.751,29.299 42.774,29.282 42.792,29.274 42.835,29.256 42.9,29.248 88.496,29.248 89.248,28.496 89.248,21.304 87.096,19.152 40.5,19.152 40.435,19.144 40.374,19.118 40.322,19.078 37.922,16.678 37.882,16.626 37.856,16.565 37.848,16.5 37.848,0.51 0.51,0.51 0.51,79.49 21.648,79.49
3.3V on L3 (split plane): 129.49,0.51 89.136,0.51 89.126,0.518 89.065,0.544 89,0.552 88.935,0.544 88.874,0.518 88.864,0.51 38.352,0.51 38.352,16.396 40.604,18.648 87.2,18.648 87.265,18.656 87.326,18.682 87.378,18.722 89.678,21.022 89.696,21.044 89.718,21.074 89.744,21.135 89.752,21.2 89.752,28.6 89.744,28.665 89.718,28.726 89.696,28.756 89.678,28.778 88.778,29.678 88.726,29.718 88.665,29.744 88.6,29.752 43.004,29.752 36.952,35.804 36.952,56.1 36.944,56.165 36.918,56.226 36.896,56.256 36.878,56.278 35.078,58.078 35.026,58.118 34.965,58.144 34.9,58.152 27.204,58.152 22.152,63.204 22.152,79.49 129.49,79.49

## Keep-outs
Keep-Out Layer:
  lines w0.2: 0,10 5,10 cw(c5,5) 10,5 10,0 ; 0,70 5,70 ccw(c5,75) 10,75 10,80 ; 120,0 120,5 cw(c125,5) 125,10 130,10 ; 120,80 120,75 ccw(c125,75) 125,70 130,70 ; 0,0 0,80 130,80 130,0 0,0

## Other copper
L1:
  rectangle net 3.3V: 67.2,74 69,76.4
  rectangle net 9V: 70.8,58.1 81.4,60.9
  rectangle net NetC22_2: 40.1,61.4 49.6,64.7
  rectangle net AGND: 51.5,55.9 53,59.2
  rectangle net DC+: 24.9,64.3 28.5,69.2
  rectangle net 9V: 61.8,54.8 68.2,56.8
  rectangle net 9V: 59.9,53.5 66.1,56.8
  rectangle net 9V: 68.1,54.8 71.1,61
  rectangle net 9V: 54,53.5 60,59.2
  rectangle net NetC20_2: 54,60.7 59.9,62.5
  rectangle net AGND: 68.3,62 73.4,65.1
  rectangle net NetC22_2: 46,63.1 49.6,69.1
  rectangle net NetC20_2: 58.8,60.7 60.4,78.5
  rectangle net NetC20_2: 46,75.9 59.1,78.5
  rectangle net DC+: 23.774,70 27.6,72.1
  rectangle net DC_GND: 19.8,71.9 20.9,75.4
  rectangle net DC_GND: 19.8,70.5 22.7,72.2
  rectangle net DC+: 18.4,68.9 27.2,70.1
  rectangle net DC+: 26.5,68.9 28.5,77
  rectangle net DC_GND: 18.4,75.2 20.9,76.399
  rectangle net NetD1_A: 21.4,74.9 23.7,77.6
  rectangle net NetD1_A: 18.4,76.8 24.2,77.9
  rectangle net EXGND: 15.8,75.1 17.4,76.4
  rectangle net EXGND: 10.4,70.5 11.4,76.4
  rectangle net EX24V: 12.2,70.5 17.5,74.1
  rectangle net EXGND: 10.4,74.6 16.88,77
  rectangle net DC+: 24.9,61.4 38.9,64.4
  rectangle net DC_GND: 24.9,57 38.9,60.4
  rectangle net 3.3V: 68.3,65.6 72.2,76.4
  region net DGND: 127.7,66.4 127.7,69.1 126.781,69.1 126.781,66.4
  rectangle net NetC64_2: 52.4,35.1 57.3,37.9
  region net NetJP1_1: 117.3,19 115.5,19 115.5,18.081 117.3,18.081
  region net DGND: 117.3,17.927 114.4,17.927 114.4,17 117.3,17
  region net DGND: 114.5,17.927 112.7,17.927 112.7,17 114.5,17
  region net NetJP2_1: 114.5,19 112.7,19 112.7,18.081 114.5,18.081
  region net NetMS2_2: 126.527,67.3 126.527,69.1 125.6,69.1 125.6,67.3
  region net NetMS1_2: 126.573,64.7 126.573,66.5 125.646,66.5 125.646,64.7
  region net DGND: 127.7,64.7 127.7,66.5 126.781,66.5 126.781,64.7
  rectangle net DGND: 63.8,60.7 67.5,72.5
  region net NetED1_2: 121.4,59.454 117.6,59.454 117.6,57.6 121.4,57.6
  region net DGND: 119.4,60.654 114.101,60.654 114.101,59.654 119.4,59.654
  region net DC+: 20.6,69.1 25,64.7 25.2,64.7 25.2,68.9 25,69.1
L4:
  rectangle net DGND: 89.4,61.4 91.5,64.4
  rectangle net DC_GND: 30.9,58.7 35.2,60.4
  rectangle net DC_GND: 27.75,58.9 31.1,66.9
  rectangle net DC_GND: 20,66.1 31.1,74.2
  rectangle net DC_GND: 35.1,57.8 59.5,60.4
  rectangle net DC_GND: 54,56.7 59.5,58.1
  rectangle net DC_GND: 54,55.6 64,57.2
  rectangle net DC_GND: 63.8,55.6 66.4,61.4
  rectangle net DC+: 60.4,57.6 62.9,62
  rectangle net DC+: 35,61.4 62.9,66.2
  rectangle net DGND: 84.8,51.8 91.5,62.3
  pour cut-out: 84.5,62.6 89,62.6 89,64.8 91.9,64.8 91.9,51.5 84.5,51.5
  pour cut-out: 19.1,74.6 31.2,74.6 31.5,74.3 31.5,60.7 34.6,60.7 34.6,66.6 63.4,66.6 63.4,61.8 66.7,61.8 66.7,55.4 53.7,55.4 53.7,57.4 28.2,57.4 19.1,66.5
  pour cut-out: 42.9,53.8 43.1,53.6 43.1,52.5 30.5,52.5 29.2,53.8
  region net DC_GND: 21.3,66.3 28.1,66.3 28.1,59.5
L2 (plane layer: these items are gaps in the copper):
  lines w0.5: 0,68.7 15.4,68.7 20.8,63.3 20.8,24.8 29.1,16.5 29.1,0.1 ; 24.8,80 32.3,80 32.3,67.4 33.3,66.4 47.7,66.4 49.6,64.5 49.6,23.6 49.6,18.2 64.4,3.4 93.5,3.4 95,4.9 95,15.6 91.4,19.2 91.4,27.5 93.7,29.8 103.2,39.3 103.2,49.2 88.9,63.5 76.7,63.5 72.9,67.3 72.9,80 73.9,80
L3 (plane layer: these items are gaps in the copper):
  lines w0.5: 21.9,79.9 21.9,63.1 27.1,57.9 34.9,57.9 36.7,56.1 36.7,35.7 42.9,29.5 88.6,29.5 89.5,28.6 89.5,21.2 87.2,18.9 40.5,18.9 38.1,16.5 38.1,0.2 ; 88.7,0 89,0.3

## Silkscreen, mask and mechanical layers (free items; w line width, h text height)
Top Overlay:
  drawing of 45 lines, arcs and shapes, not listed
  text "EXGND" at 10.6,74.9 h0.8
  text "EX24V" at 12.5,72.1 h0.8
  text "SELF" at 91.484,63.96 h1.2
  text "HOST" at 98.9,63.7 h1.2
  text "DC+" at 33,61.7 h1
  text "DC_GND" at 33,57.5 h1
  text "9V" at 56.1,56 h1
  text "5W" at 60.7,40.8 h1.2 r270
  text "1.2W" at 60.9,37 h1.2 r270
  text "Virtual GND" at 52.6,36.3 h0.6
  text "IHA-8001" at 43.8,27.9 h1.6 r270
  text "Voice" at 103.65,21.05 h1.2
  text "Chime" at 90.7,20.2 h1.2
  text "INT" at 73.9,14.2 h1.2
  text "EXT" at 65.6,14.1 h1.2
Mechanical 1:
  the board outline again, w0.2

## Text inside footprints (layer, text, board x,y; h text height)
CN1: Top Overlay "B2P" at 80.1,3.6 h1 r180; Top Overlay "2" at 80.9,7.267 h1 r180; Top Overlay "1" at 78.1,7.267 h1 r180
CN3: Top Overlay "1" at 1.279,65.411 h1 r270; Top Overlay "2" at 1.279,67.697 h1 r270; Top Overlay "B02B" at 4.962,67.967 h1 r270
CN4: Top Overlay "B3P" at 69.783,3.584 h1 r180; Top Overlay "3" at 71.4,7.267 h1 r180; Top Overlay "2" at 68.9,7.267 h1 r180; Top Overlay "1" at 66.1,7.267 h1 r180
CN5: Top Overlay "1" at 87.6,7.267 h1 r180; Top Overlay "2" at 90.4,7.267 h1 r180; Top Overlay "3" at 92.9,7.267 h1 r180; Top Overlay "B3P" at 91.283,3.584 h1 r180
J1: Top Overlay "14" at 16.167,33.4 h1 r90; Top Overlay "1" at 16.167,66.7 h1 r90; Top Overlay "6" at 16.167,54 h1 r90; Top Overlay "5" at 16.167,56.4 h1 r90; Top Overlay "10" at 16.167,43.4 h1 r90; Top Overlay "9" at 16.167,46.4 h1 r90; Top Overlay "13" at 16.167,35.9 h1 r90; Top Overlay "12" at 16.167,38.4 h1 r90; Top Overlay "17" at 16.167,25.9 h1 r90; Top Overlay "16" at 16.167,28.4 h1 r90; Top Overlay "18" at 16.167,23.4 h1 r90; Top Overlay "2" at 16.167,63.9 h1 r90; Top Overlay "3" at 16.167,61.4 h1 r90; Top Overlay "4" at 16.167,58.9 h1 r90; Top Overlay "7" at 16.167,51.4 h1 r90; Top Overlay "8" at 16.167,49 h1 r90; Top Overlay "11" at 16.167,40.9 h1 r90; Top Overlay "15" at 16.167,30.9 h1 r90; Top Overlay "B18P" at 12.484,44.094 h1 r90
J2: Top Overlay "B5P" at 3.484,17.431 h1 r90; Top Overlay "4" at 7.167,15.6 h1 r90; Top Overlay "3" at 7.167,18.1 h1 r90; Top Overlay "2" at 7.167,20.6 h1 r90; Top Overlay "5" at 7.167,13.1 h1 r90; Top Overlay "1" at 7.167,23.4 h1 r90
J3: Top Overlay "1" at 7.167,58.4 h1 r90; Top Overlay "6" at 7.167,45.7 h1 r90; Top Overlay "5" at 7.167,48.1 h1 r90; Top Overlay "10" at 7.167,35.1 h1 r90; Top Overlay "9" at 7.167,38.1 h1 r90; Top Overlay "12" at 7.167,30.1 h1 r90; Top Overlay "2" at 7.167,55.6 h1 r90; Top Overlay "3" at 7.167,53.1 h1 r90; Top Overlay "4" at 7.167,50.6 h1 r90; Top Overlay "7" at 7.167,43.1 h1 r90; Top Overlay "8" at 7.167,40.7 h1 r90; Top Overlay "11" at 7.167,32.6 h1 r90; Top Overlay "B12P" at 3.484,43.287 h1 r90
U2: Top Overlay "25" at 97.9,49 h1 r270; Top Overlay "100" at 113.2,46.8 h1; Top Overlay "50" at 96.85,32.7 h1; Top Overlay "75" at 112.4,33.2 h1 r270
USB1: Top Overlay "USB" at 85.4,77.7 h2 r180; Top Overlay "1" at 86.64,70.69 h1.52 r180; Top Overlay "2" at 84,70.69 h1.52 r180; Top Overlay "3" at 81.95,70.69 h1.52 r180; Top Overlay "4" at 79.35,70.69 h1.52 r180